# Altium PCB jetson-nano-0928-12.PcbDoc (part 2 of 6) (continued)
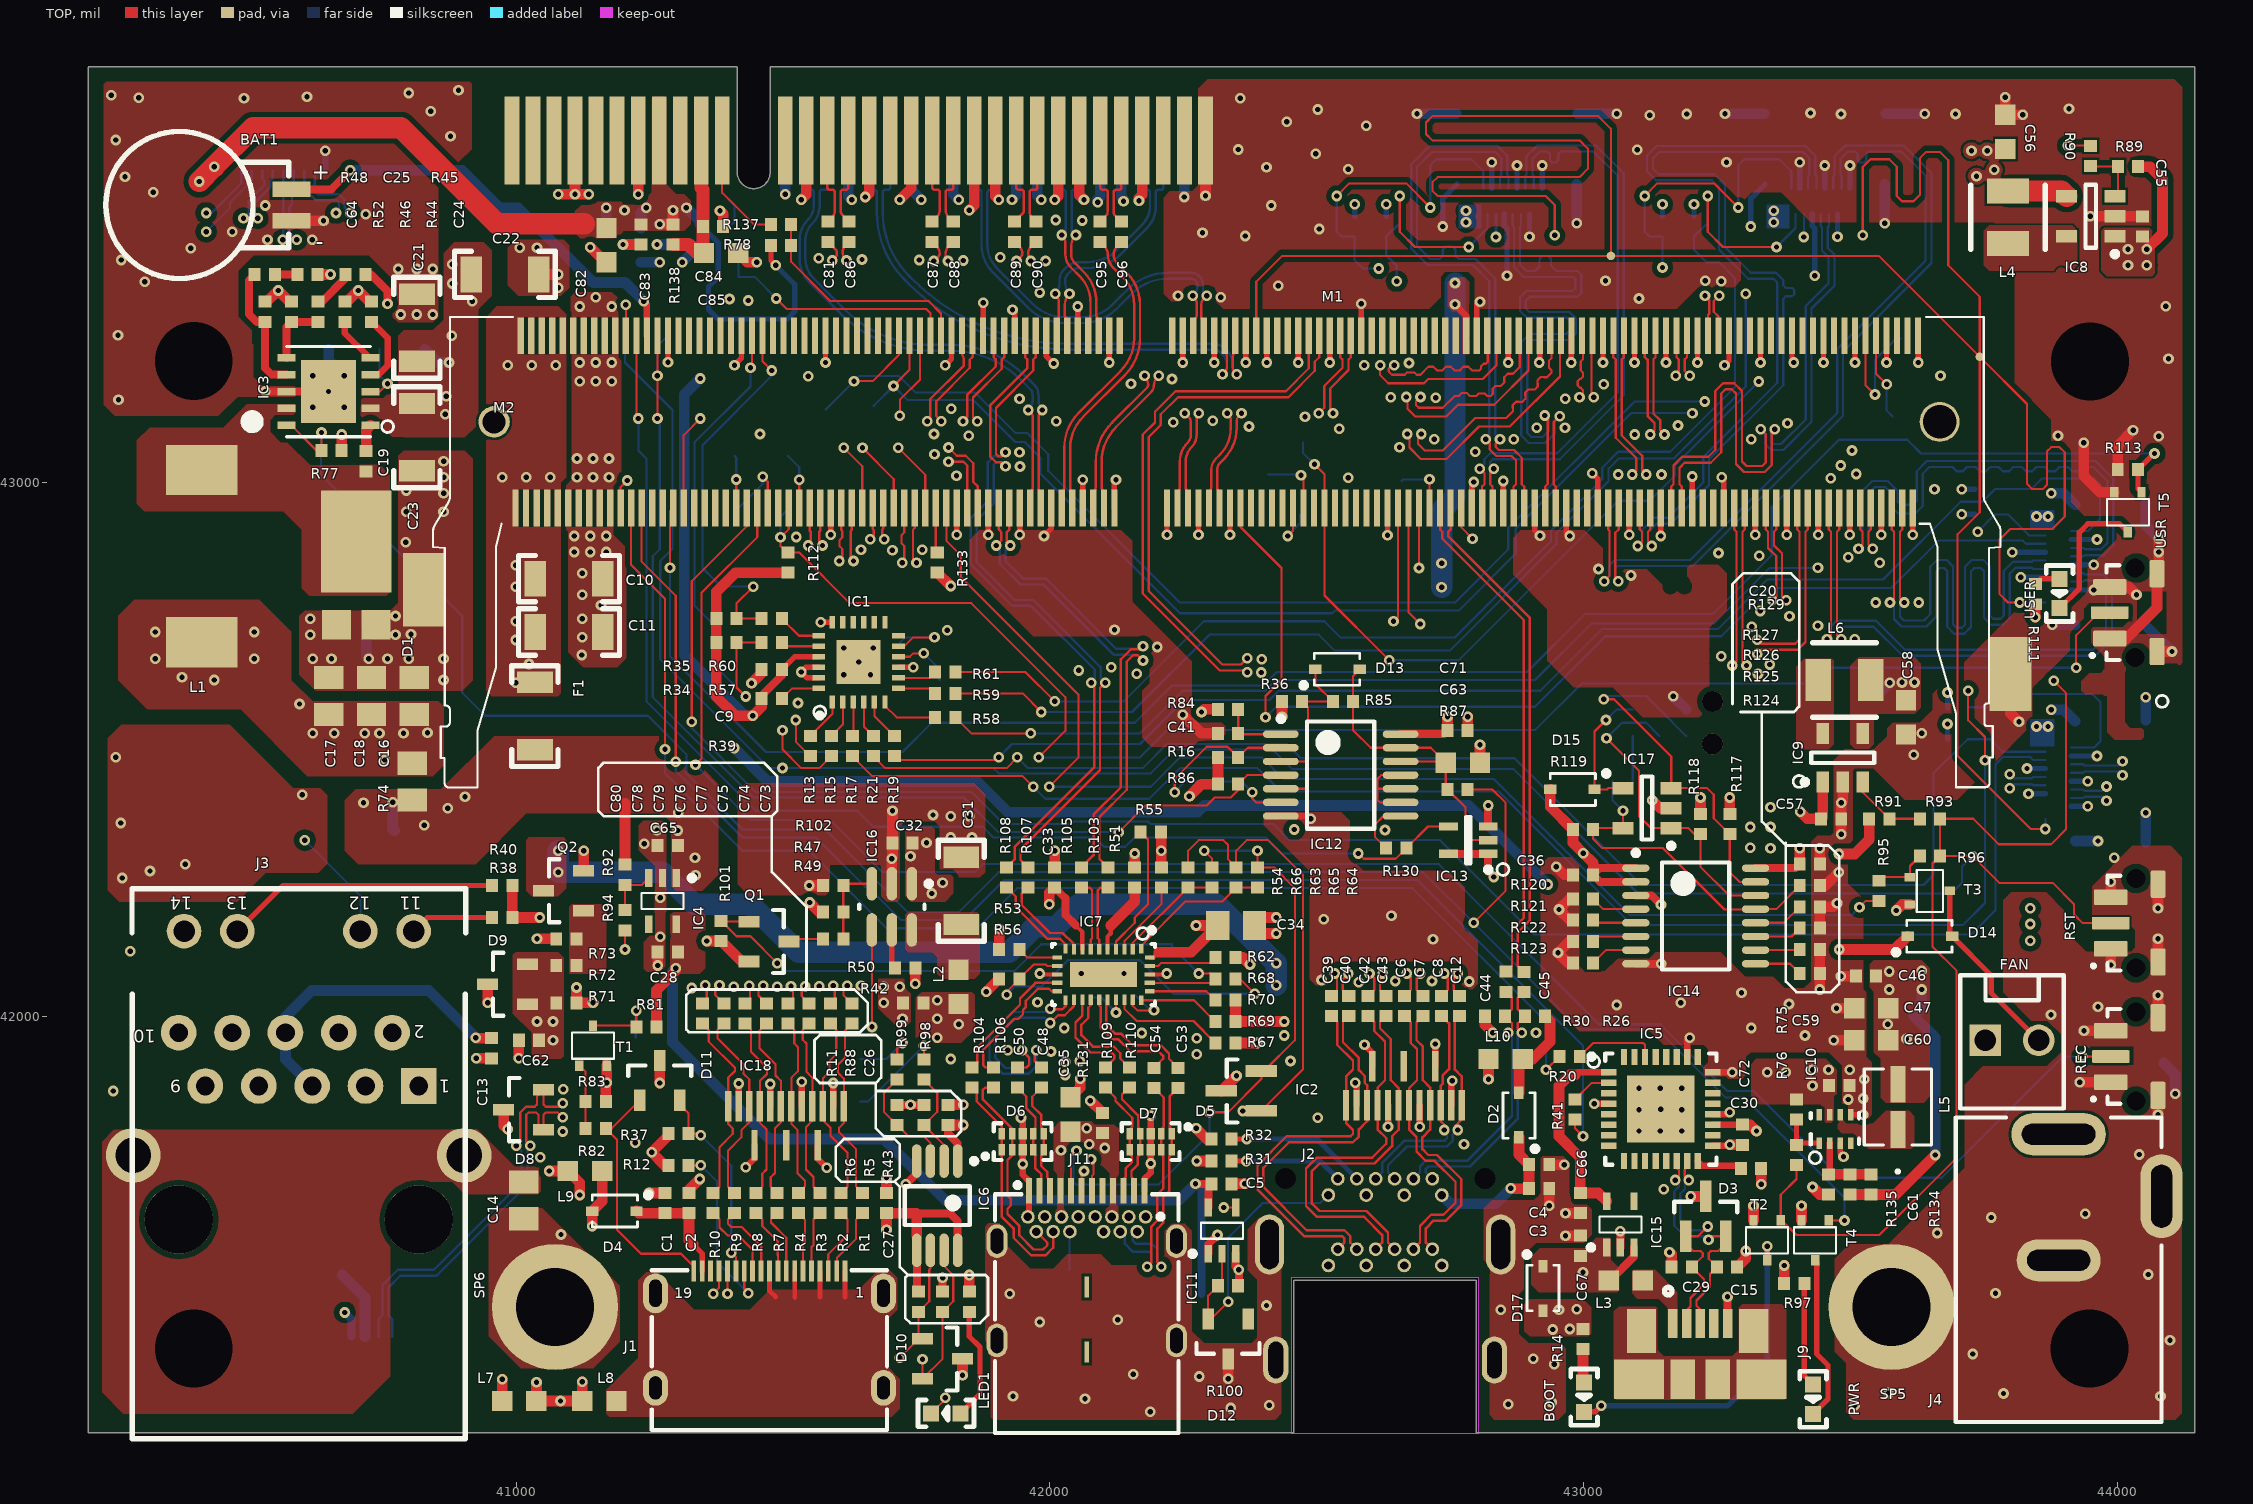
[diagram p0: TOP view]
#SHUTDOWN_REQ: IC12.4 M1.233 R86.1 TP28.1 | length 2100.9
  TOP w4: v1(41264.48,43120.47) v1(41264.48,43200.47) M1.233@41264.48,43275.59 ; v1(42128.82,42345.47) 42178.82,42395.47 42293.82,42395.47 42308.82,42410.47 42338.82,42410.47 42352.72,42424.37 R86.1@42352.72,42435.47 42369.58,42452.33 IC12.4@42432.62,42452.33
  BOTTOM w4: v1(41264.48,43120.47) 41268.82,43116.13 41268.82,42875.47 41255.82,42862.47 41255.82,42598.47 41443.82,42410.47 41837.96,42410.47 41902.96,42345.47 v1(42128.82,42345.47) ; v1(41264.48,43200.47) 41264.48,43256.13 41281.83,43273.48 TP28.1@41285.82,43273.48
\P\W\R\_\S\E\T\: C41.2 IC12.1 R84.1 | length 125.5
  TOP w4.5: R84.1@42352.72,42575.47 C41.2@42352.72,42530.47 42354.09,42529.1 IC12.1@42432.62,42529.1
\PEWAKE_3V3: M1.179 R78.1 R137.1 | length 432.8
  TOP w4: R137.1@41514.96,43484.25 R78.1@41514.96,43444.88 41514.96,43414.33 41588.82,43340.47 41772.82,43340.47 41795.98,43317.31 M1.179@41795.98,43275.59
BT_M2_EN: M1.126
BT_M2_WAKE_AP: M1.124
C_CC1: D5.2 J11.A5 R63.2 R64.2 | length 1240.8
  TOP w4: J11.A5@42039.4,41673.67 42039.4,41738.05 v1(42049.82,41748.47) ; v1(42288.82,42310.47) 42303.82,42295.47 R63.2@42303.82,42279.38 ; v1(42298.82,41820.47) 42333.82,41820.47 42396.22,41882.87 D5.2@42396.22,41897.87 42401.22,41897.87 42458.82,41955.47 42458.82,42240.47 42419.91,42279.38 R64.2@42388.82,42279.38 v1(42388.82,42310.47)
  BOTTOM w4: v1(42049.82,41748.47) 42043.82,41742.47 42043.82,41689.47 42047.82,41685.47 42203.81,41685.47 42298.82,41780.48 v1(42298.82,41820.47) ; v1(42288.82,42310.47) v1(42388.82,42310.47)
C_CC2: D5.1 J11.B5 R65.1 R66.1 | length 1295.9
  TOP w4: R66.1@42258.82,42279.37 42258.82,42310.47 42278.82,42330.47 42324.82,42330.47 42333.82,42321.47 42333.82,42294.36 R65.1@42348.82,42279.36 42348.82,42310.47 42368.82,42330.47 42408.82,42330.47 42473.82,42265.47 42473.82,41900.67 D5.1@42396.22,41823.07 v1(42361.42,41823.07)
  L4_SIG w5: J11.B5@42100.42,41596.9 42131.85,41565.47 42163.82,41565.47 42213.82,41615.47 42213.82,41697.47 42339.42,41823.07 v1(42361.42,41823.07)
C_USBSS_RX1_N: D6.1 J11.B10 R104.2 | length 437.3
  TOP w4.5: R104.2@41853.82,41866.56 41862.82,41857.56 41862.82,41840.9 41909.45,41794.27 D6.1@41909.45,41780.63 D6.1@41909.45,41750.31 41909.45,41625.28 41931.82,41602.91 41931.82,41585.47 41964.82,41552.47 41991.83,41552.47 42005.93,41566.57 J11.B10@42005.93,41596.9
C_USBSS_RX1_P: D6.2 J11.B11 R106.2 | length 435.5
  TOP w4.5: R106.2@41893.82,41866.56 41878.32,41866.56 41873.82,41862.06 41873.82,41845.46 41929.13,41790.15 D6.2@41929.13,41780.63 D6.2@41929.13,41750.31 41929.13,41739.79 41920.45,41731.11 41920.45,41664.22 41926.82,41657.85 41926.82,41646.22 41920.45,41639.85 41920.45,41629.84 41942.82,41607.47 41942.82,41590.03 41969.38,41563.47 41987.27,41563.47 41994.93,41571.13 41994.93,41576.41 J11.B11@41974.44,41596.9
C_USBSS_RX2_N: D7.5 J11.A10 R109.2 | length 224.1
  TOP w4.5: R109.2@42103.82,41866.56 42122.76,41847.62 42122.76,41841.53 42154.11,41810.18 42154.11,41793.77 42149.45,41789.11 D7.5@42149.45,41780.63 D7.5@42149.45,41750.31 42149.45,41741.83 42153.79,41737.49 42153.79,41727.01 42141.82,41715.04 42141.82,41699.46 42137.82,41695.46 J11.A10@42137.82,41673.67
C_USBSS_RX2_P: D7.4 J11.A11 R110.2 | length 222
  TOP w4.5: R110.2@42148.82,41866.56 42147.92,41866.56 42135.01,41853.65 42135.01,41844.84 42165.11,41814.74 42165.11,41793.17 42169.13,41789.15 D7.4@42169.14,41780.63 D7.4@42169.14,41750.31 42169.13,41741.79 42164.79,41737.45 42164.79,41722.45 42152.82,41710.48 42152.82,41699.48 42157.51,41694.79 J11.A11@42157.51,41673.67
C_USBSS_RX6_N: IC7.10 R108.2 | length 174.2
  TOP w4.5: R108.2@41918.82,42241.57 41935.82,42224.57 41935.82,42204.91 41995.26,42145.47 42019.27,42145.47 42029.24,42135.5 IC7.10@42029.24,42127.17
C_USBSS_RX6_P: IC7.9 R107.2 | length 175.5
  TOP w4.5: R107.2@41958.82,42241.56 41946.6,42229.35 41946.82,42229.13 41946.82,42209.47 41999.82,42156.47 42023.83,42156.47 42043.82,42136.48 42043.82,42127.15 IC7.9@42044.99,42125.98
C_USBSS_TX1_N: C48.1 D6.5 J11.A3 | length 217.3
  TOP w4.5: C48.1@41983.82,41866.57 41966.82,41849.57 41966.82,41832.47 41983.85,41815.44 41983.85,41792.45 41988.19,41788.11 D6.5@41988.19,41780.63 D6.5@41988.19,41750.31 41988.19,41742.84 41983.82,41738.47 41983.82,41720.03 41994.63,41709.22 41994.63,41698.66 42000.03,41693.26 J11.A3@42000.03,41673.67
C_USBSS_TX1_P: C50.1 D6.4 J11.A2 | length 216.4
  TOP w4.5: C50.1@41938.82,41866.57 41955.82,41849.57 41955.82,41827.91 41972.85,41810.88 41972.85,41792.49 41968.51,41788.15 D6.4@41968.5,41780.63 D6.4@41968.5,41750.31 41968.51,41742.79 41972.82,41738.48 41972.82,41715.47 41983.63,41704.66 41983.63,41698.28 41980.34,41694.99 J11.A2@41980.34,41673.67
C_USBSS_TX2_N: C53.1 D7.2 J11.B3 | length 469
  TOP w4.5: v1(42182.25,41531.25) 42190,41539 42190,41606.56 42201,41617.56 42201,41666.56 42212.53,41678.08 42212.53,41737.77 42208.51,41741.79 D7.2@42208.51,41750.31 D7.2@42208.51,41780.63 42208.51,41789.11 42213.17,41793.77 42213.17,41847.93 C53.1@42195,41866.1
  BOTTOM w4.5: J11.B3@42131.92,41596.9 42140.42,41588.4 42140.42,41574.08 42154.99,41559.5 42184.99,41559.5 42190,41554.49 42190,41539 v1(42182.25,41531.25)
C_USBSS_TX2_P: C54.1 D7.1 J11.B2 | length 466.6
  TOP w4.5: v1(42208.75,41531.25) 42201,41539 42201,41602 42212,41613 42212,41662 42223.53,41673.53 42223.53,41737.17 42228.19,41741.83 D7.1@42228.19,41750.31 D7.1@42228.19,41780.63 42228.19,41789.15 42224.17,41793.17 42224.17,41850.27 C54.1@42240,41866.1
  BOTTOM w4.5: J11.B2@42163.41,41596.9 42154.92,41588.4 42154.92,41580.08 42161,41574 42191,41574 42201,41564 42201,41539 v1(42208.75,41531.25)
C_USBSS_TX6_N: IC7.7 R105.2 | length 134
  TOP w4.5: R105.2@42058.82,42241.56 42074.37,42241.56 42078.87,42237.06 42078.87,42146.27 42076.49,42143.89 IC7.7@42076.49,42125.98
C_USBSS_TX6_P: IC7.6 R103.2 | length 132.6
  TOP w4.5: IC7.6@42092.24,42125.98 42092.24,42143.9 42089.87,42146.27 42089.87,42236.52 42094.91,42241.56 R103.2@42108.82,42241.56
CAM0_SCL: J7.17 R15.1 R23.2 | length 2275.2
  TOP w4: v1(41498.82,42536.26) 41498.82,42500.47 41533.82,42465.47 41568.04,42465.47 R15.1@41590.3,42487.73 ; v1(42655.51,43537.4) 42655.51,43470.47 42684.05,43441.93 v1(42784.45,43441.93)
  L4_SIG w5: v1(41498.82,42536.26) 41499.61,42535.47 41538.13,42535.47 41608.13,42605.47 41678.82,42605.47 41708.82,42635.47 41708.82,42705.46 41791.82,42788.46 41791.82,42815.47 41863.82,42887.47 41863.82,42915.47 41898.81,42950.46 41953.82,42950.46 42026.83,43023.47 42382.83,43023.47 42455.82,43096.46 42455.82,43185.47 42487.82,43217.47 42487.82,43279.46 42586.31,43377.95 v1(42649.61,43377.95)
  BOTTOM w4: v1(42784.45,43441.93) 42819.88,43477.36 J7.17@42819.88,43503.78
  BOTTOM w5: v1(42649.61,43377.95) 42649.61,43407.48 42629.92,43427.17 R23.2@42629.92,43461.42 42655.51,43487.01 v1(42655.51,43537.4)
CAM0_SDA: J7.18 R13.1 R24.2 | length 2308.4
  TOP w4: v1(41523.82,42555.47) 41523.82,42514.84 R13.1@41550.93,42487.73 ; v1(42537.4,43537.4) 42561.02,43561.02 42667.32,43561.02 v1(42712.6,43515.75)
  L4_SIG w5: v1(41523.82,42555.47) 41588.82,42620.47 41668.82,42620.47 41693.82,42645.47 41693.82,42711.47 41779.32,42796.97 41779.32,42824.97 41848.82,42894.47 41848.82,42920.47 41888.82,42960.47 41933.82,42960.47 42011.82,43038.47 42382.82,43038.47 42441.82,43097.47 42441.82,43248.47 42594.92,43401.57 v1(42616.14,43401.57)
  BOTTOM w4: v1(42537.4,43537.4) 42537.4,43470.47 42546.46,43461.42 R24.2@42570.87,43461.42 42570.87,43417.32 42586.61,43401.57 v1(42616.14,43401.57) ; v1(42712.6,43515.75) 42712.6,43594.49 42724.41,43606.3 42789.37,43606.3 42812.01,43583.66 J7.18@42812.01,43552.01
CAM1_SCL: J14.17 R21.1 R28.2 | length 2584.4
  TOP w4: R21.1@41669.04,42487.73 41691.3,42465.47 41918.82,42465.47 v1(41938.82,42485.47)
  BOTTOM w4: v1(41938.82,42485.47) 41958.82,42465.47 42173.82,42465.47 42218.82,42510.47 42443.82,42510.47 42470.32,42483.97 42870.32,42483.97 43107.82,42246.47 43636.82,42246.47 43655.51,42265.16 43655.51,42455.51 R28.2@43719.68,42519.68
  BOTTOM w4.2: R28.2@43719.68,42519.68 43761.81,42519.68 43785.43,42496.06 J14.17@43865.16,42496.06
CAM1_SDA: J14.18 R17.1 R29.2 | length 3157.2
  TOP w4: R17.1@41629.67,42487.73 41666.93,42450.47 41948.82,42450.47 v1(41968.82,42430.47) ; v1(43720.47,42610.24) 43720.47,42555.12 43751.97,42523.62 v1(43751.97,42480.32)
  BOTTOM w4: v1(41968.82,42430.47) 41991.32,42407.97 42186.32,42407.97 42243.82,42465.47 42388.82,42465.47 42432.82,42421.47 42840.82,42421.47 43091.03,42171.26 43710.63,42171.26 43751.97,42212.6 v1(43751.97,42480.32) ; v1(43720.47,42610.24) 43720.47,42579.53 43800,42579.53 43824.8,42604.33 43952.76,42604.33 43968.5,42588.58 43968.5,42515.75 43956.69,42503.93 J14.18@43913.39,42503.93
CAM2_SCL: J6.17 R18.2 R58.1 | length 2254.2
  TOP w4: R58.1@41822.72,42560.47 41852.72,42530.47 v1(41963.82,42530.47)
  L4_SIG w5: v1(43438.98,42840.55) 43466.54,42840.55 43482.28,42824.8 43654.72,42824.8 v1(43738.19,42908.27)
  BOTTOM w4: v1(41963.82,42530.47) 42168.81,42530.47 42248.81,42610.47 42403.82,42610.47 42423.82,42630.47 42908.82,42630.47 43014.57,42736.22 43244.09,42736.22 43348.43,42840.55 v1(43438.98,42840.55) ; v1(43738.19,42908.27) R18.2@43770.87,42940.94 43795.28,42940.94 43834.64,42901.58 J6.17@43865.16,42901.58
CAM2_SDA: J6.18 R19.1 R22.2 | length 2613.8
  TOP w4: R19.1@41708.41,42487.73 41715.67,42480.47 41898.82,42480.47 v1(41903.82,42485.47)
  BOTTOM w4: v1(41903.82,42485.47) 41928.82,42510.47 42168.82,42510.47 42251.32,42592.97 42411.32,42592.97 42428.82,42610.47 42918.82,42610.47 43034.73,42726.38 43251.97,42726.38 43344.3,42818.71 43560.84,42818.71 43706.69,42964.57 43747.24,42964.57 R22.2@43770.87,42988.19 43838.58,42988.19 43858.27,43007.87 43956.85,43007.87 43967.68,42997.05 43967.68,42932.09 43945.04,42909.45 J6.18@43913.39,42909.45
CAM3_SCL: J13.17 R25.2 R61.1 | length 2475.5
  TOP w4: R61.1@41822.71,42645.47 41953.82,42645.47 v1(42008.82,42590.47) ; v1(43232.51,43537.4) 43232.51,43470.47 43261.05,43441.93 v1(43361.45,43441.93)
  BOTTOM w4: v1(42008.82,42590.47) 42138.46,42590.47 42288.46,42740.47 42514.18,42740.47 42544.18,42710.47 42758.82,42710.47 42938.82,42890.47 42938.82,42910.47 43034.82,43006.47 43034.82,43028.47 43064.5,43058.15 43162.5,43058.15 43283.46,43179.11 43283.46,43383.86 43253.94,43413.39 43230.32,43413.39 43206.92,43436.78 R25.2@43206.92,43461.42 43232.51,43487.01 v1(43232.51,43537.4) ; v1(43361.45,43441.93) 43396.88,43477.36 J13.17@43396.88,43503.78
CAM3_SDA: J13.18 R27.2 R59.1 | length 2750.6
  TOP w4: R59.1@41822.71,42605.47 41948.82,42605.47 v1(41983.82,42570.47) ; v1(43114.4,43537.4) 43138.02,43561.02 43244.32,43561.02 v1(43289.6,43515.75)
  L4_SIG w5: v1(43147.87,43403.54) 43275.59,43403.54 43303.82,43375.31 v1(43303.82,43354.33)
  BOTTOM w4: v1(41983.82,42570.47) 42153.82,42570.47 42298.82,42715.47 42503.82,42715.47 42533.82,42685.47 42748.82,42685.47 42948.82,42885.47 42948.82,42905.47 43046.82,43003.47 43046.82,43026.47 43065.82,43045.47 43168.82,43045.47 43303.82,43180.47 v1(43303.82,43354.33) ; v1(43114.4,43537.4) 43114.4,43470.47 43123.46,43461.42 R27.2@43147.87,43461.42 v1(43147.87,43403.54) ; v1(43289.6,43515.75) 43289.6,43594.49 43301.41,43606.3 43366.37,43606.3 43389.01,43583.66 J13.18@43389.01,43552.01
CAM_I2C_SCL: M1.213 R35.2 R60.2 TP10.1 | length 725.8
  TOP w4: v1(41443.82,42805.47) 41412.73,42774.38 R35.2@41412.73,42745.47 R60.2@41459.92,42745.47 ; M1.213@41461.33,43275.59 41461.33,43227.96 v1(41478.82,43210.47)
  BOTTOM w4: v1(41443.82,42805.47) 41383.82,42805.47 TP10.1@41373.82,42815.47 41348.82,42840.47 41348.82,43070.47 41478.82,43200.47 v1(41478.82,43210.47)
CAM_I2C_SDA: M1.215 R34.2 R57.2 TP1.1 | length 915.8
  TOP w4: v1(41429.82,42599.47) 41412.73,42616.56 R34.2@41412.73,42700.47 R57.2@41459.92,42700.47 ; v1(41438.82,43215.47) 41441.65,43218.3 M1.215@41441.65,43275.59
  BOTTOM w4: v1(41429.82,42599.47) 41373.82,42655.47 TP1.1@41373.82,42730.47 41333.82,42770.47 41333.82,43075.47 41438.82,43180.47 v1(41438.82,43215.47)
CAM_XVS: J6.1 J7.1 J13.1 J14.1 M1.127 pad. | length 5943.4
  TOP w4: M1.127@42386.53,43275.59 42386.53,43376.69 42435.04,43425.2 pad.@43051.1,43425.2 ; v1(42945.87,43463.59) 42945.87,43520.67 42929.13,43537.4 42726.38,43537.4 42716.54,43547.24 42716.54,43562.99 42726.38,43572.83 42992.13,43572.83 43007.87,43588.58 43007.87,43625.98 42992.13,43641.73 42716.54,43641.73 42704.72,43653.54 42704.72,43675.2 42716.54,43687.01 43027.56,43687.01 43051.1,43663.47 pad.@43051.1,43425.2 ; v1(43522.87,43463.59) 43522.87,43591.77 43537.4,43606.3 43572.83,43606.3 43586.61,43592.52 43586.61,43537.4 43596.46,43527.56 43618.11,43527.56 43629.92,43539.37 43629.92,43608.27 43641.73,43620.08 43667.32,43620.08 43683.07,43604.33 43683.07,43407.48 43742.13,43348.43 pad.@43742.13,43236.22 ; v1(43816.93,42775.59) 43795.28,42775.59 43779.53,42791.34 43779.53,42893.7 43799.21,42913.39 43877.95,42913.39 43901.57,42937.01 43901.57,43057.09 43891.73,43066.93 43875.98,43066.93 43868.11,43059.06 43868.11,42996.06 43860.24,42988.19 43840.55,42988.19 43830.71,42998.03 43830.71,43147.64 pad.@43742.13,43236.22 ; v1(43865.16,42351.38) 43837.6,42351.38 43700.79,42488.19 43700.79,42903.54 43742.13,42944.88 pad.@43742.13,43236.22 ; pad.@43051.1,43425.2 43553.15,43425.2 pad.@43742.13,43236.22
  BOTTOM w4: v1(42945.87,43463.59) J7.1@42945.87,43503.78 ; v1(43522.87,43463.59) J13.1@43522.87,43503.78 ; v1(43816.93,42775.59) J6.1@43865.16,42775.59 ; v1(43865.16,42351.38) J14.1@43865.16,42370.07
CC1: IC7.2 R63.1 R66.2 | length 203.5
  TOP w4: IC7.2@42155.23,42125.98 42155.23,42137.98 R66.2@42258.82,42241.57 R63.1@42303.82,42241.58
CC2: IC7.1 R64.1 R65.2 | length 268.4
  TOP w4: IC7.1@42170.98,42127.17 42170.98,42132.63 42253.82,42215.47 42322.73,42215.47 R65.2@42348.82,42241.56 R64.1@42388.82,42241.58
CSI_A_CLK_N: J6.14 M1.10 | length 986.5
  TOP w4.2: M1.10@43538.11,42952.76 43538.1,42912.48 43533.86,42908.24 43533.86,42883.86 v1(43541.56,42876.16)
  BOTTOM w4.2: v1(43541.56,42876.16) 43533.86,42883.86 43533.86,42980.71 43545.28,42992.13 43564.96,42992.13 43576.77,42980.31 43576.77,42956.69 ; 43576.77,42955.34 43589.85,42942.26 43620.78,42942.26 43635.22,42956.69 43635.22,43017.11 43647.64,43029.53 43690.94,43029.53 43698.82,43021.65 43710.63,43021.65 43718.5,43029.53 43734.25,43029.53 43742.13,43021.65 43753.94,43021.65 43761.81,43029.53 43777.56,43029.53 43785.43,43021.65 43797.24,43021.65 43805.12,43029.53 43820.87,43029.53 43828.74,43021.65 43840.55,43021.65 43848.43,43029.53 43864.17,43029.53 43872.05,43021.65 43883.86,43021.65 43891.73,43029.53 43907.48,43029.53 43915.35,43021.65 43927.17,43021.65 43935.04,43029.53 43954.72,43029.53 43981.38,43002.87 43981.38,42887.3 43969.86,42875.78 ; J6.14@43913.39,42877.96 43936.09,42877.96 43938.37,42875.68 43969.86,42875.68
CSI_A_CLK_P: J6.12 M1.12 | length 993.8
  TOP w4.2: v1(43515.06,42876.16) 43522.66,42883.76 ; M1.12@43518.42,42952.76 43518.42,42912.48 43522.66,42908.24 43522.66,42883.86
  BOTTOM w4.2: v1(43515.06,42876.16) 43522.66,42883.76 43522.66,42985.35 43540.64,43003.33 43569.6,43003.33 43587.97,42984.95 43587.97,42965.18 43594.49,42958.66 43616.14,42958.66 43624.02,42966.54 43624.02,43021.74 43643,43040.73 43959.36,43040.73 43992.58,43007.51 43992.58,42882.66 43974.5,42864.58 ; J6.12@43913.39,42862.21 43936.09,42862.21 43938.37,42864.48 43974.5,42864.48
CSI_A_D0_N: J6.11 M1.4 | length 1009
  TOP w4.2: 43592.91,42783.46 43592.91,42783.56 ; M1.4@43597.16,42952.76 43597.15,42912.48 43592.91,42908.24 43592.91,42783.56 ; v1(43600.61,42775.86) 43592.91,42783.56
  BOTTOM w4.2: v1(43600.61,42775.86) 43592.91,42768.16 43592.91,42749.61 43600.39,42742.13 43637.8,42742.13 43649.61,42753.94 43649.61,42842.52 43662.68,42855.6 43679.84,42855.6 43692.3,42843.13 ; 43692.3,42842.52 43692.3,42734.86 43698.82,42728.35 43708.66,42728.35 43714.57,42734.25 43714.57,42842.52 43727.64,42855.6 43748.73,42855.6 43761.2,42843.13 ; 43761.2,42842.52 43761.2,42751.97 43767.72,42745.45 43781.5,42745.45 43787.4,42751.36 ; 43787.4,42751.97 43787.4,42834.74 43804.72,42852.05 43840.18,42852.05 43842.45,42854.33 J6.11@43865.16,42854.33
CSI_A_D0_P: J6.9 M1.6 | length 1013.8
  TOP w4.2: v1(43574.11,42775.86) 43581.71,42783.46 43581.71,42908.24 43577.47,42912.48 M1.6@43577.48,42952.76
  BOTTOM w4.2: v1(43574.11,42775.86) 43581.71,42768.26 43581.71,42744.97 43595.75,42730.93 43642.43,42730.93 43660.81,42749.3 43660.81,42834.03 43667.32,42840.55 43675.2,42840.55 43681.1,42834.65 43681.1,42730.22 43694.18,42717.15 43713.3,42717.15 43725.77,42729.61 43725.77,42834.03 43732.28,42840.55 43744.09,42840.55 43750,42834.65 43750,42747.33 43763.08,42734.25 43786.14,42734.25 43798.6,42746.72 43798.6,42830.1 43809.36,42840.85 43840.18,42840.85 43842.45,42838.58 J6.9@43865.16,42838.59
CSI_A_D1_N: J6.8 M1.16 | length 1012
  TOP w4.2: 43474.81,42714.57 43474.81,42908.24 43479.05,42912.48 M1.16@43479.05,42952.76 ; 43474.81,42714.67 v1(43482.51,42706.97)
  BOTTOM w4.2: v1(43482.51,42706.97) 43474.81,42714.67 43474.81,42720.87 43484.25,42730.32 43543.21,42730.32 43597.72,42675.81 43959.27,42675.81 43990.16,42706.69 43990.16,42811.32 43973.04,42828.43 43938.37,42828.43 43936.09,42830.71 J6.8@43913.39,42830.71
CSI_A_D1_P: J6.6 M1.18 | length 996.7
  TOP w4.2: v1(43456.01,42706.97) 43463.61,42714.57 43463.61,42908.24 43459.37,42912.48 M1.18@43459.37,42952.76
  BOTTOM w4.2: v1(43456.01,42706.97) 43463.61,42714.57 ; 43463.61,42714.67 43463.61,42731.32 43473.8,42741.52 43547.85,42741.52 43602.36,42687.01 43954.63,42687.01 43978.96,42711.33 43978.96,42806.88 43968.6,42817.23 43938.37,42817.23 43936.09,42814.96 J6.6@43913.39,42814.96
CSI_C_CLK_N: J13.14 M1.52 | length 1506.4
  TOP w4.2: M1.52@43124.72,42952.76 43124.72,42912.48 43120.47,42908.23 43120.47,42888.82 v1(43127.82,42881.47)
  BOTTOM w4.2: v1(43127.82,42881.47) 43120.82,42888.47 43120.82,42907.63 43136.66,42923.47 43162.82,42923.47 43235.1,42995.75 43235.1,43043.91 43373.82,43182.63 43373.82,43344.49 43378.68,43349.35 43390.49,43349.35 43394.43,43353.28 43394.43,43361.16 43390.49,43365.09 43378.68,43365.09 43373.82,43369.95 43373.82,43380.12 43360.24,43393.7 43312.99,43393.7 43265,43441.69 43265,43557.93 43244.8,43578.13 43140.37,43578.13 43129.92,43588.58 43129.92,43608.27 43141.65,43620 43411.16,43620 43422.68,43608.49 ; J13.14@43420.5,43552.01 43420.5,43574.72 43422.78,43576.99 43422.78,43608.39
CSI_C_CLK_P: J13.12 M1.54 | length 1513.4
  TOP w4.2: v1(43101.32,42881.47) 43109.27,42889.42 43109.27,42908.23 43105.03,42912.47 M1.54@43105.04,42952.76
  BOTTOM w4.2: v1(43101.32,42881.47) 43109.62,42889.77 43109.62,42912.27 43132.02,42934.67 43158.18,42934.67 43223.9,43000.39 43223.9,43048.55 43362.62,43187.27 43362.62,43375.48 43355.6,43382.5 43308.35,43382.5 43253.8,43437.05 43253.8,43553.29 43240.16,43566.93 43135.74,43566.93 43118.72,43583.94 43118.72,43612.91 43137.01,43631.2 43415.8,43631.2 43433.88,43613.12 ; 43433.97,43613.03 43433.97,43576.99 43436.25,43574.72 J13.12@43436.25,43552.01
CSI_C_D0_N: J13.11 M1.46 | length 1112.1
  TOP w4.2: M1.46@43183.78,42952.76 43183.78,42993.04 43179.54,42997.28 43179.54,43027.96 43188.98,43037.4 43238.19,43037.4 43257.87,43057.09 43257.87,43167.32 43265.75,43175.2 43277.56,43175.2 43285.43,43167.32 43285.43,43035.34 43300.48,43020.3 43339.28,43020.3 43352.36,43033.37 43352.36,43094.49 v1(43358.37,43100.5)
  BOTTOM w4.2: v1(43358.37,43100.5) 43351.07,43093.2 43351.07,43078.06 43356.3,43072.83 43369.99,43072.83 43415.97,43118.81 43415.97,43331.41 43458.66,43374.11 43458.66,43423.14 43446.4,43435.4 43446.39,43478.8 43444.12,43481.07 J13.11@43444.13,43503.78
CSI_C_D0_P: J13.9 M1.48 | length 1150.9
  TOP w4.2: M1.48@43164.09,42952.76 43164.1,42993.04 43168.34,42997.28 43168.34,43032.6 43184.34,43048.6 43233.55,43048.6 43246.67,43061.73 43246.67,43171.96 43261.11,43186.4 43282.2,43186.4 43296.63,43171.96 43296.63,43039.98 43305.12,43031.5 43334.65,43031.5 43341.16,43038.01 43341.16,43091.21 v1(43331.87,43100.5)
  BOTTOM w4.2: v1(43331.87,43100.5) 43339.87,43092.5 43339.87,43073.42 43351.66,43061.63 43374.63,43061.63 43427.17,43114.17 43427.17,43326.77 43469.86,43369.47 43469.86,43427.78 43457.6,43440.04 43457.6,43478.8 43459.87,43481.07 J13.9@43459.87,43503.78
CSI_C_D1_N: J13.8 M1.58 | length 1510.3
  TOP w4.2: v1(43064.82,42815.47) 43059.42,42820.87 43059.42,42906.24 43065.66,42912.48 M1.58@43065.67,42952.76
  BOTTOM w4.2: v1(43064.82,42815.47) 43058.82,42821.47 43058.82,42840.07 43063.02,42844.27 43204.51,42844.27 43486.22,43125.98 43486.22,43246.06 43652,43411.84 43652,43579.84 43599.64,43632.2 43490.47,43632.2 43470.12,43611.86 ; J13.8@43467.75,43552.01 43467.75,43574.72 43470.03,43576.99 43470.03,43611.86
CSI_C_D1_P: J13.6 M1.60 | length 1505.8
  TOP w4.2: v1(43038.32,42815.47) 43048.22,42825.37 43048.22,42910.24 43045.98,42912.48 M1.60@43045.98,42952.76
  BOTTOM w4.2: v1(43038.32,42815.47) 43047.62,42824.77 43047.62,42844.71 43058.38,42855.47 43199.87,42855.47 43475.02,43130.62 43475.02,43250.7 43640.8,43416.48 43640.8,43575.2 43595,43621 43534.39,43621 43529.53,43616.14 43529.53,43604.33 43525.59,43600.39 43517.72,43600.39 43513.78,43604.33 43513.78,43616.14 43508.92,43621 43495,43621 43481.12,43607.12 ; 43481.22,43607.12 43481.22,43576.99 43483.5,43574.72 J13.6@43483.5,43552.01
CSI_E_CLK_N: J14.14 M1.28 | length 1231.2
  TOP w4.2: M1.28@43360.94,42952.76 43360.94,42912.48 43356.69,42908.23 43356.69,42882.6 43371.91,42867.38 43371.91,42787.4 ; 43371.91,42787.5 v1(43379.61,42779.8)
  L4_SIG w4.3: v1(43379.61,42779.8) 43368.36,42768.55 43368.36,42737.94 43431.1,42675.2 43758.53,42675.2 43773.41,42660.32 43773.41,42599.53 43760.71,42586.83 43742.34,42586.83 43730.32,42574.8 43730.32,42535.43 43744.09,42521.65 43889.76,42521.65 43940.94,42470.47 44001.96,42470.47 v1(44009.56,42478.07)
  BOTTOM w4.2: J14.14@43913.39,42472.44 43936.09,42472.44 43938.37,42470.17 44001.66,42470.17 v1(44009.56,42478.07)
CSI_E_CLK_P: J14.12 M1.30 | length 1246.7
  TOP w4.2: M1.30@43341.25,42952.76 43341.25,42912.47 43345.49,42908.23 43345.49,42877.96 43360.71,42862.74 43360.71,42787.4 v1(43353.11,42779.8)
  L4_SIG w4.3: v1(43353.11,42779.8) 43356.76,42776.15 43356.76,42733.13 43426.3,42663.6 43753.73,42663.6 43761.81,42655.51 43761.81,42604.33 43755.91,42598.43 43737.53,42598.43 43718.72,42579.61 43718.72,42530.63 43739.29,42510.05 43884.96,42510.05 43936.14,42458.87 44002.46,42458.87 v1(44009.56,42451.77)
  BOTTOM w4.2: J14.12@43913.39,42456.69 43936.09,42456.69 43938.37,42458.97 44002.36,42458.97 v1(44009.56,42451.77)
CSI_E_D0_N: J14.9 M1.22 | length 1258
  TOP w4.2: v1(43325.08,42679.31) 43332.78,42687.01 43401.21,42687.01 43415.75,42701.55 43415.75,42908.24 43419.99,42912.48 M1.22@43420,42952.76
  L4_SIG w4.3: v1(43325.08,42679.31) 43328.73,42682.96 43350.51,42682.96 43431.31,42602.15 43431.31,42524.72 43449.92,42506.12 43479.21,42506.12 43495.85,42522.75 43495.85,42600.18 43505.91,42610.24 43525.59,42610.24 43533.46,42602.36 43533.46,42471.78 43570,42435.25 43790.91,42435.25 v1(43798.71,42427.45)
  BOTTOM w4.2: v1(43798.71,42427.45) 43806.61,42435.35 43840.18,42435.35 43842.45,42433.07 J14.9@43865.16,42433.07
CSI_E_D0_P: J14.11 M1.24 | length 1241.8
  TOP w4.2: v1(43325.08,42705.81) 43332.68,42698.21 43396.57,42698.21 43404.55,42706.19 43404.55,42908.24 43400.31,42912.48 M1.24@43400.31,42952.76
  L4_SIG w4.3: v1(43325.08,42705.81) 43336.33,42694.56 43355.31,42694.56 43442.91,42606.96 43442.91,42529.53 43454.72,42517.72 43474.41,42517.72 43484.25,42527.56 43484.25,42604.99 43501.1,42621.84 43530.4,42621.84 43545.06,42607.17 43545.06,42476.59 43574.8,42446.85 43791.81,42446.85 v1(43798.71,42453.75)
  BOTTOM w4.2: v1(43798.71,42453.75) 43805.91,42446.55 43840.18,42446.55 43842.45,42448.82 J14.11@43865.16,42448.81
CSI_E_D1_N: J14.8 M1.34 | length 1211
  TOP w4.2: M1.34@43301.89,42952.76 43301.88,42912.48 43297.54,42908.14 43297.54,42665.35 v1(43305.24,42657.65)
  L4_SIG w4.3: v1(43305.24,42657.65) 43293.99,42646.4 43293.99,42623.33 43470.47,42446.85 43520.34,42446.85 43579.4,42387.8 43836.61,42387.8 43871.84,42423.02 43972.03,42423.02 v1(43979.83,42430.82)
  BOTTOM w4.2: J14.8@43913.39,42425.19 43936.09,42425.19 43938.37,42422.92 43971.93,42422.92 v1(43979.83,42430.82)
CSI_E_D1_P: J14.6 M1.36 | length 1226.2
  TOP w4.2: v1(43278.74,42657.65) 43286.34,42665.25 ; M1.36@43282.2,42952.76 43282.2,42912.48 43286.44,42908.24 ; 43286.34,42665.35 43286.34,42908.09 43286.44,42908.19
  L4_SIG w4.3: v1(43278.74,42657.65) 43282.39,42654 43282.39,42618.53 43465.67,42435.25 43515.54,42435.25 43574.59,42376.2 43841.42,42376.2 43876.64,42411.42 43972.93,42411.42 v1(43979.83,42404.52)
  BOTTOM w4.2: J14.6@43913.39,42409.44 43936.09,42409.44 43938.37,42411.72 43972.63,42411.72 v1(43979.83,42404.52)
CSI_G_CLK_N: J7.14 M1.76 | length 1060.1
  TOP w4.2: v1(42843.3,43081.47) 42835.3,43073.47 42835.3,43067.19 42841.02,43061.47 42869.49,43061.47 42884.25,43046.71 42884.25,42997.29 42888.5,42993.04 M1.76@42888.5,42952.76
  BOTTOM w4.2: v1(42843.3,43081.47) 42834.3,43090.47 42834.3,43382.33 42797.34,43419.29 42765.75,43419.29 42759.84,43425.2 42759.84,43437.01 42753.94,43442.91 42742.13,43442.91 42736.22,43437.01 42736.22,43425.2 42730.32,43419.29 42712.6,43419.29 42688,43443.89 42688,43592 42716,43620 42834.16,43620 42845.78,43608.39 42845.78,43576.99 42843.5,43574.72 J7.14@42843.5,43552.01
CSI_G_CLK_P: J7.12 M1.78 | length 1062.4
  TOP w4.2: v1(42816.8,43081.47) 42824.1,43074.17 42824.1,43062.55 42836.38,43050.27 42864.85,43050.27 42873.05,43042.07 42873.05,42997.29 42868.81,42993.05 M1.78@42868.82,42952.76
  BOTTOM w4.2: v1(42816.8,43081.47) 42823.1,43087.77 42823.1,43377.69 42792.7,43408.09 42707.96,43408.09 42676.8,43439.25 42676.8,43596.64 42711.36,43631.2 42838.8,43631.2 42856.97,43613.03 42856.97,43576.99 42859.25,43574.72 J7.12@42859.25,43552.01
CSI_G_D0_N: J7.11 M1.70 | length 1063
  TOP w4.2: M1.70@42947.56,42952.76 42947.55,42993.04 42943.82,42996.77 42943.82,43113.82 v1(42955,43125)
  BOTTOM w4.2: J7.11@42867.13,43503.78 42867.12,43481.07 42869.39,43478.8 42869.39,43404.13 42887.7,43385.83 42980.32,43385.83 42984.21,43381.94 42984.21,43364.22 42979.61,43359.63 42893.09,43359.63 42880.53,43347.07 42880.53,43322.22 42893.7,43309.06 42968.5,43309.06 42974.41,43303.15 42974.41,43285.52 42967.8,43278.92 42898.9,43278.92 42883.31,43263.32 42883.31,43088.86 42897.36,43074.8 42927.8,43074.8 42945.82,43092.82 42945.82,43117 42953.82,43125 v1(42955,43125)
CSI_G_D0_P: J7.9 M1.72 | length 1066.5
  TOP w4.2: v1(42927,43126) 42927,43125.32 v1@42932.11,43120.21 ; M1.72@42927.87,42952.76 42927.87,42993.04 42932.62,42997.79 42932.62,43119.41 v1@42932.11,43119.92
  BOTTOM w4.2: J7.9@42882.87,43503.78 42882.87,43481.07 42880.6,43478.8 42880.6,43408.77 42892.34,43397.03 42908.84,43397.03 42917.32,43405.51 42917.32,43419.29 42923.23,43425.2 42933.07,43425.2 42938.98,43419.29 42938.98,43406.87 42948.82,43397.03 42988.8,43397.03 42995.41,43390.42 42995.41,43355.64 42988.19,43348.43 42899.7,43348.43 42891.73,43340.46 42891.73,43326.86 42898.34,43320.26 42973.14,43320.26 42985.61,43307.79 42985.61,43280.89 42972.44,43267.72 42903.54,43267.72 42894.5,43258.68 42894.5,43093.5 42902,43086 42923.16,43086 42934.62,43097.46 42934.62,43117.7 42927,43125.32 v1(42927,43126)